# Altium PCB Avyaan 2.0.PcbDoc (part 2 of 3)
Units mm, origin at the board's own origin, x right, y up, seen from the top; angles counter-clockwise.
Board outline 364 x 499 mm, 2 copper layers (Top Layer, Bottom Layer), stack 3.2 mm thick; 226 components, 0 nets, 1029 pads, 6 vias.
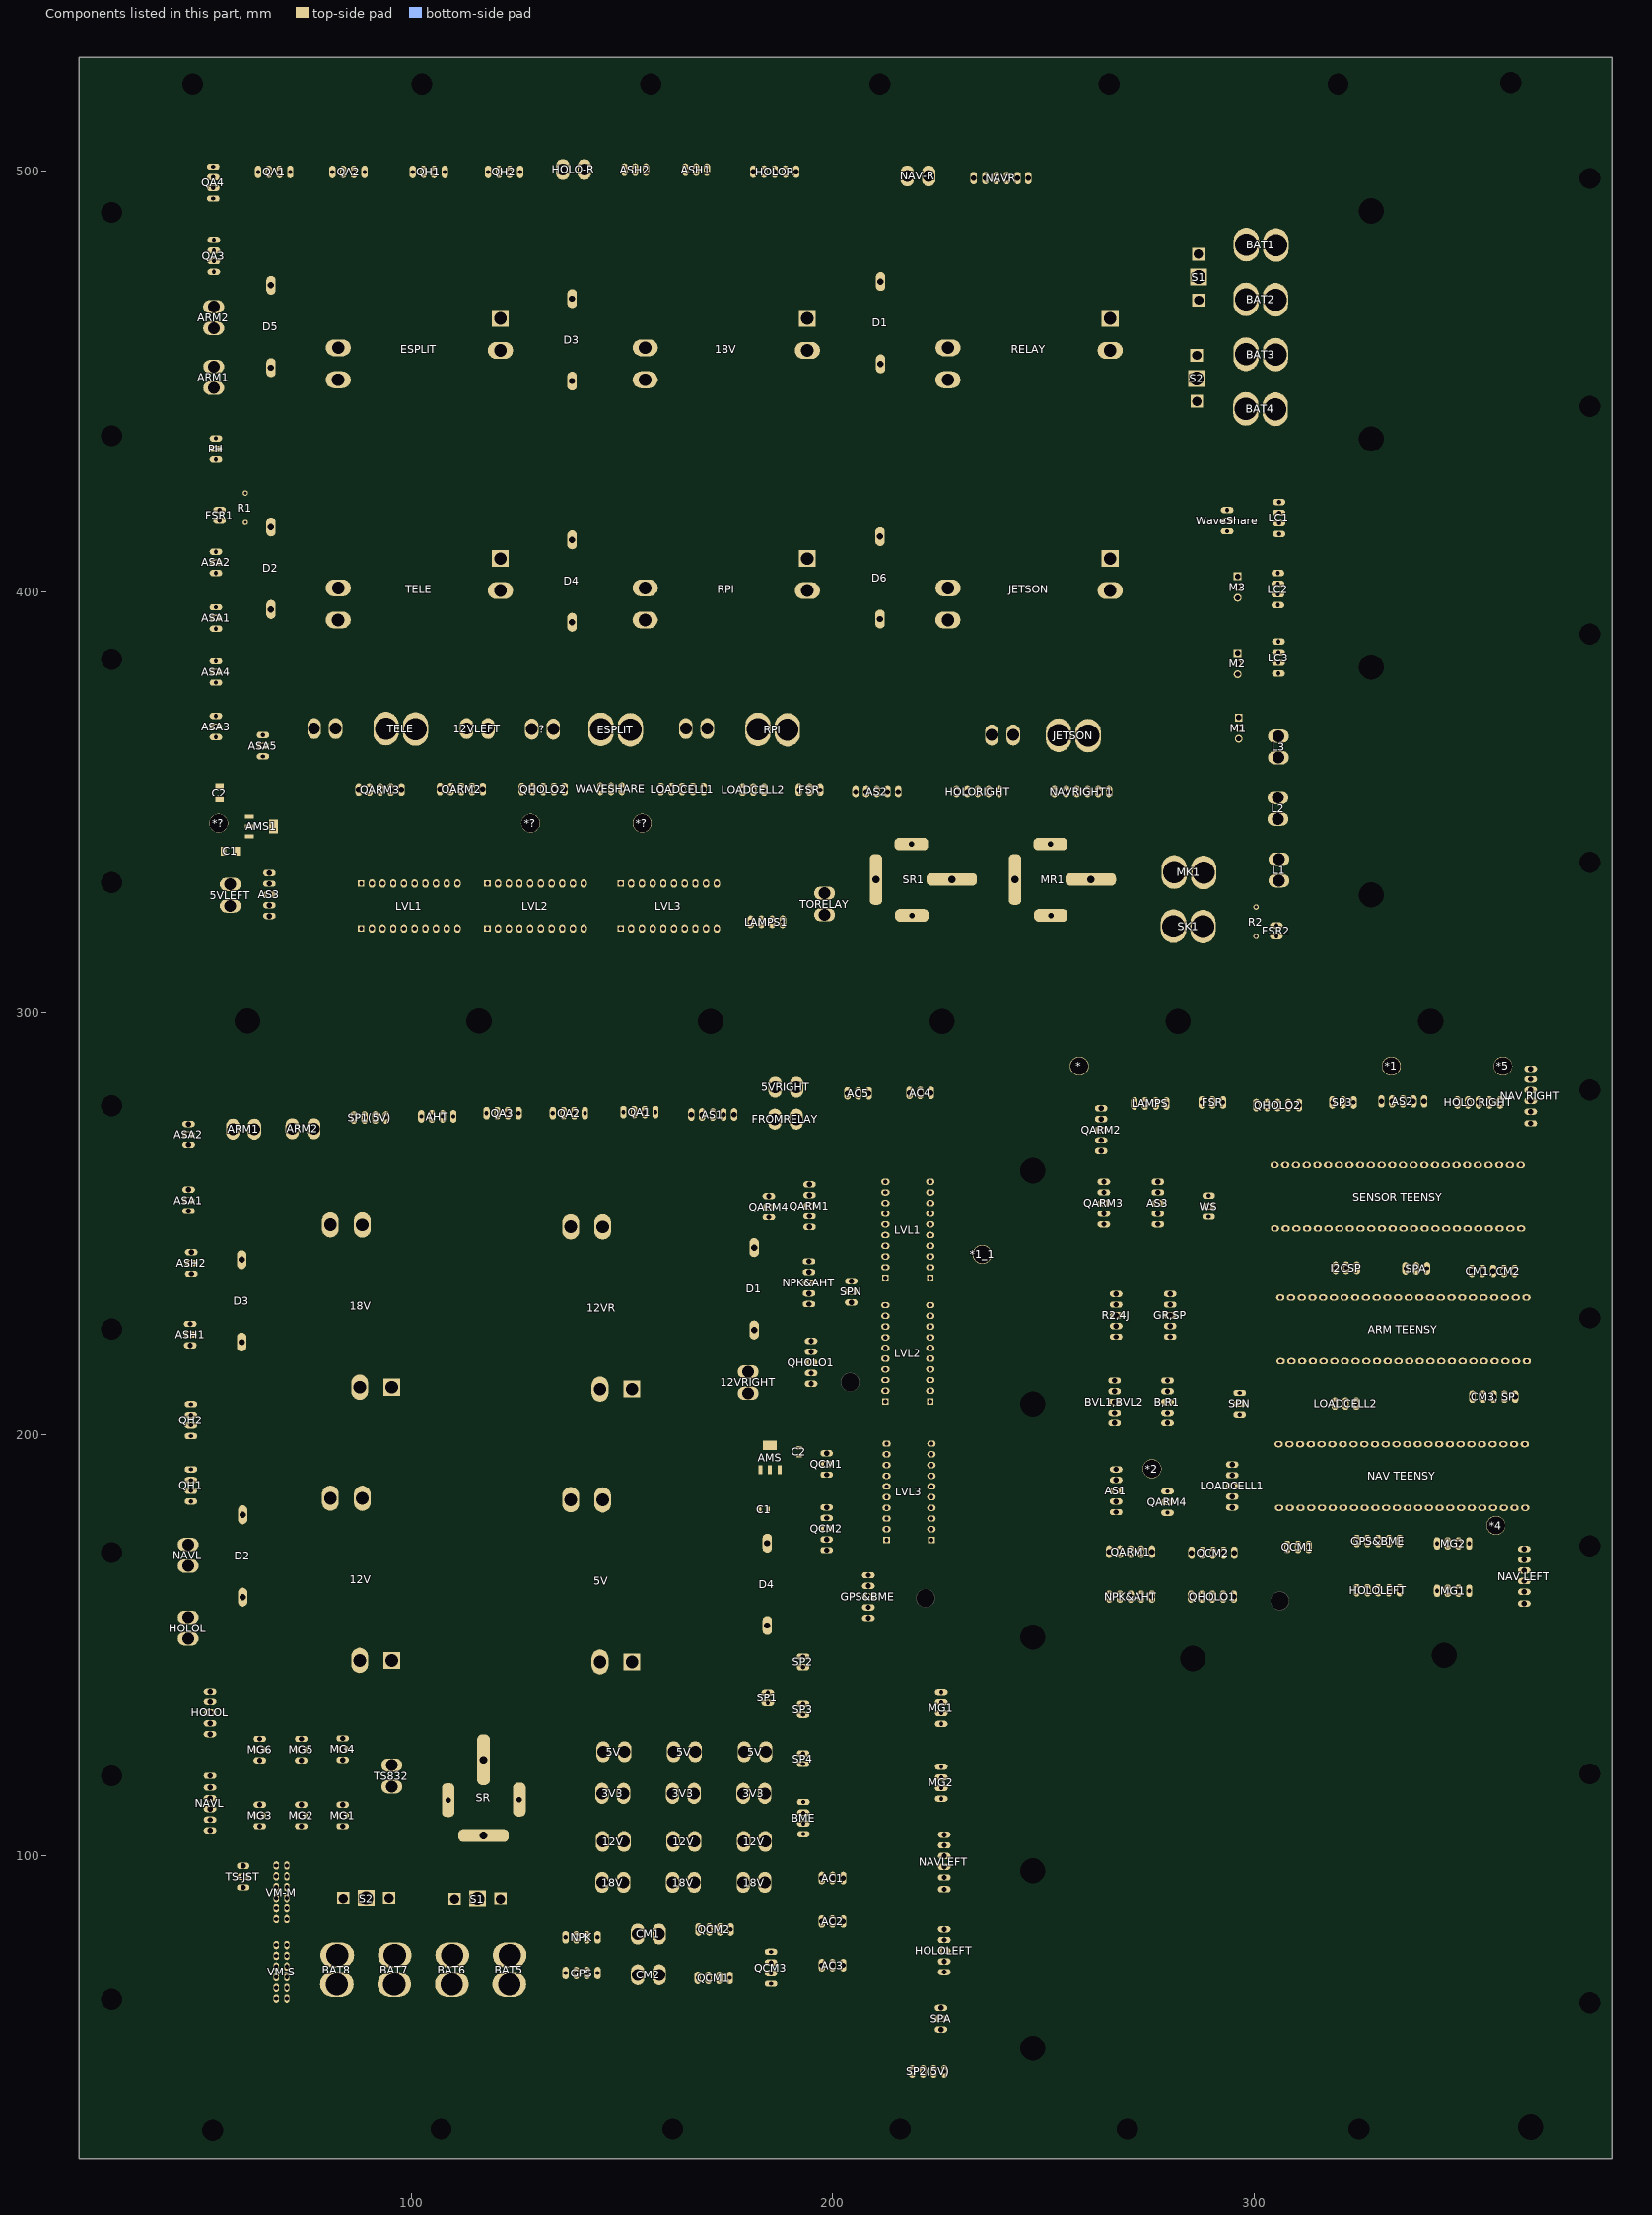
[diagram p2: the components of this part, seen from the top]

## Via types
v1: diameter 1.27, hole 0.711, Top Layer to Bottom Layer, 5 vias
v2: diameter 1.5, hole 0.711, Top Layer to Bottom Layer, 1 vias

## Nets (pads, with @x,y where several pads share a name; then routed paths per layer and width w, separated by ;. In a path a pad name is that pad's centre, name@x,y a point inside that pad or via, vN(x,y) a via of type N, cw(c..) or ccw(c..) an arc to the next point about the centre after c; other vN are vias at no path point) (continued)
copper on no net: | length 37593
  Top Layer w0.254: 70.36,97.62 70.36,97.51 70.44,97.43 ; 126.162,352.53 126.162,353.28 ; 128.702,352.464 128.702,353.28 ; 138.1,331.636 138.227,331.509 ; 149.657,320.079 149.994,320.079 ; 152.197,320.079 152.753,320.079 ; 154.737,320.079 155.131,320.079 ; 157.277,320.079 157.382,320.079 ; 164.77,331.509 165.02,331.509 ; 164.897,320.022 164.897,320.079 ; 167.31,331.509 167.56,331.509 ; 169.85,331.509 169.977,331.509 ; 235.868,360.443 235.89,360.465 ; 243.891,498.206 243.891,498.32
  Top Layer w0.3: 47.045,255.57 46.41,255.57 46.295,255.57 43.84,258.025 43.84,274.105 52.902,283.167 165.037,283.167 171.505,276.699 171.505,275.949 ; 47.045,271.191 47.795,271.191 50.855,274.251 50.855,276.935 56.287,282.367 163.297,282.367 168.965,276.699 168.965,275.949 ; 47.426,223.693 46.918,223.693 42.6,228.011 42.6,276.144 51.236,284.78 168.504,284.78 176.585,276.699 176.585,275.949 ; 47.589,189.149 48.188,189.149 56.062,197.023 56.062,227.03 62.771,233.739 182.056,233.739 185.742,230.053 185.742,208.394 192.376,201.76 214.792,201.76 219.13,206.098 219.13,218.867 223.448,223.185 ; 47.589,191.689 55.262,199.362 55.262,227.361 62.44,234.539 182.388,234.539 186.542,230.385 186.542,208.726 192.708,202.56 214.46,202.56 218.33,206.43 218.33,220.607 223.321,225.598 ; 47.589,204.643 48.523,204.643 54.462,210.582 54.462,227.693 62.108,235.339 182.719,235.339 187.342,230.716 187.342,209.057 193.039,203.36 214.129,203.36 217.53,206.761 217.53,222.347 223.448,228.265 ; 47.589,207.183 53.662,213.256 53.662,228.024 61.777,236.139 183.05,236.139 188.142,231.047 188.142,209.389 193.371,204.16 213.798,204.16 216.73,207.092 216.73,222.678 216.778,222.726 216.778,224.53 223.053,230.805 ; 47.68,240.711 47.255,240.711 46.566,241.4 46.566,241.444 43.24,244.77 43.24,275.133 52.074,283.967 166.777,283.967 174.045,276.699 174.045,275.949 ; 52.125,105.964 49.839,103.678 49.839,63.44 60.369,52.91 207.178,52.91 217.96,63.692 217.96,97.182 225.731,104.953 226.481,104.953 ; 52.125,108.504 51.375,108.504 48.804,105.933 48.804,63.344 60.038,52.11 207.51,52.11 218.56,63.16 218.56,95.242 225.731,102.413 226.481,102.413 ; 52.125,111.044 51.375,111.044 48.004,107.673 48.004,63.012 59.706,51.31 207.841,51.31 219.16,62.629 219.16,93.302 225.731,99.873 226.481,99.873 ; 52.125,113.584 51.375,113.584 47.204,109.413 47.204,62.681 59.375,50.51 208.173,50.51 219.95,62.287 219.95,91.552 225.731,97.333 226.481,97.333 ; 52.125,128.824 50.093,128.824 46.404,125.135 46.404,62.349 59.043,49.71 208.504,49.71 220.55,61.756 220.55,77.293 225.731,82.474 226.481,82.474 ; 52.125,131.364 50.093,131.364 45.604,126.875 45.604,62.018 58.713,48.909 208.834,48.909 221.15,61.225 221.15,75.353 225.731,79.934 226.481,79.934 ; 52.125,133.904 50.093,133.904 44.804,128.615 44.804,61.687 58.438,48.053 209.11,48.053 221.75,60.693 221.75,73.413 225.731,77.394 226.481,77.394 ; 52.125,136.444 50.093,136.444 44.004,130.355 44.004,61.355 58.139,47.22 209.408,47.22 222.35,60.162 222.35,71.473 225.731,74.854 226.481,74.854 ; 52.883,498.514 44.488,490.119 44.488,322.649 51.113,316.024 89.087,316.024 93.142,320.079 ; 52.883,501.054 43.888,492.059 43.888,322.4 50.864,315.424 91.027,315.424 95.682,320.079 ; 53.01,481.115 45.688,473.793 45.688,323.146 51.549,317.285 85.176,317.285 88.018,320.127 ; 53.01,483.655 45.088,475.733 45.088,322.897 51.361,316.624 87.147,316.624 90.602,320.079 ; 53.518,368.085 53.093,368.085 52.41,367.402 52.41,367.346 49.622,364.558 49.622,326.261 54.451,321.432 58.762,321.432 60.573,323.243 60.573,327.642 66.218,333.287 ; 53.518,381.039 53.093,381.039 49.022,376.968 49.022,325.718 53.908,320.832 59.01,320.832 61.173,322.995 61.173,325.956 65.964,330.747 66.218,330.747 ; 53.518,393.866 48.419,388.767 48.419,325.305 53.492,320.232 59.259,320.232 61.773,322.746 61.773,323.762 66.218,328.207 ; 53.518,407.074 52.768,407.074 47.676,401.982 47.676,324.905 52.949,319.632 59.508,319.632 65.543,325.667 66.218,325.667 ; 54.382,419.52 57.374,416.528 60.503,416.528 ; 54.407,350.686 56.784,350.686 60.834,346.636 ; 56.928,325.499 53.518,328.909 53.518,336.335 55.296,338.113 55.296,338.494 55.296,340.145 58.598,343.447 58.598,345.733 59.501,346.636 60.834,346.636 ; v2(59.56,81.62) 59.56,85.27 64.18,89.89 67.78,89.89 67.86,89.97 ; 59.99,97.53 60.035,97.575 67.815,97.575 67.86,97.62 ; 61.434,346.636 60.834,346.636 ; 63.936,112.06 63.186,112.06 58.462,107.336 58.462,105.212 53.09,99.84 53.09,64.714 61.694,56.11 205.853,56.11 215.283,65.54 215.283,124.029 225.037,133.782 225.787,133.782 ; 63.936,127.681 63.186,127.681 56.062,120.557 56.062,106.218 50.669,100.825 50.669,63.741 60.7,53.71 206.847,53.71 217.36,64.223 217.36,108.325 225.037,116.002 225.787,116.002 ; 68.631,499.784 62.925,505.49 49.324,505.49 43.288,499.454 43.288,322.152 50.616,314.824 98.047,314.824 103.302,320.079 ; 70.36,78.74 71.57,78.74 73.47,76.84 73.47,66.54 80.639,59.371 204.588,59.371 212.083,66.866 212.083,133.943 232.04,153.9 232.04,207.051 230.105,208.986 230.105,260.826 214.961,275.97 212.7,275.97 208.589,280.081 208.589,280.97 ; 70.44,71.09 72.83,68.7 72.83,66.18 80.649,58.361 204.71,58.361 212.883,66.534 212.883,133.273 232.99,153.38 232.99,206.95 230.941,208.999 230.941,260.839 223.321,268.459 223.321,281.097 ; 71.171,499.784 64.865,506.09 49.075,506.09 42.688,499.703 42.688,321.903 50.367,314.224 99.987,314.224 105.842,320.079 ; 73.778,112.06 73.029,112.06 65.446,104.478 58.859,104.478 53.992,99.611 53.992,64.944 62.075,56.861 205.473,56.861 214.483,65.871 214.483,125.769 225.037,136.322 225.787,136.322 ; 73.778,127.681 73.029,127.681 69.524,124.176 69.524,121.984 65.607,118.067 62.45,118.067 56.862,112.479 56.862,105.875 51.49,100.503 51.49,64.052 61.032,54.51 206.516,54.51 216.76,64.754 216.76,110.265 225.037,118.542 225.787,118.542 ; 83.621,112.06 83.196,112.06 74.814,103.678 59.19,103.678 54.792,99.28 54.792,65.275 62.357,57.71 205.19,57.71 213.683,66.203 213.683,127.509 225.037,138.862 225.787,138.862 ; 83.621,127.808 82.871,127.808 78.668,123.605 78.668,121.077 74.858,117.267 64.444,117.267 57.662,110.485 57.662,105.544 52.29,100.172 52.29,64.383 61.363,55.31 206.184,55.31 216.083,65.209 216.083,112.129 225.037,121.082 225.787,121.082 ; 86.284,499.784 79.378,506.69 48.827,506.69 42.088,499.951 42.088,321.655 50.119,313.624 101.927,313.624 108.382,320.079 ; 87.427,353.153 87.657,352.923 87.657,331.787 87.935,331.509 ; 88.191,319.954 88.316,320.079 ; 88.824,499.784 81.318,507.29 48.578,507.29 41.488,500.2 41.488,321.406 49.87,313.024 103.867,313.024 110.922,320.079 ; 89.967,353.153 90.197,352.923 90.197,331.787 90.475,331.509 ; 91.368,275.255 91.368,271.318 99.464,263.222 214.006,263.222 216.51,260.718 216.51,243.821 222.561,237.77 223.176,237.155 ; 92.507,353.153 92.737,352.923 92.737,331.787 93.015,331.509 ; 93.908,275.255 93.908,271.318 101.204,264.022 214.338,264.022 217.11,261.25 217.11,245.511 222.926,239.695 223.176,239.695 ; 95.047,353.153 95.277,352.923 95.277,331.787 95.555,331.509 ; 103.175,331.509 103.175,348.974 106.731,352.53 106.731,353.28 ; 105.334,499.784 97.228,507.89 48.289,507.89 40.888,500.489 40.888,321.158 49.622,312.424 110.633,312.424 118.288,320.079 ; 105.715,331.509 105.715,348.974 109.271,352.53 109.271,353.28 ; 107.37,275.509 107.37,275.084 108.053,274.401 108.109,274.401 117.688,264.822 214.669,264.822 217.71,261.781 217.71,247.465 222.94,242.235 223.176,242.235 ; 107.874,499.784 99.168,508.49 47.873,508.49 40.288,500.905 40.288,320.909 49.373,311.824 112.319,311.824 120.574,320.079 ; 108.255,331.509 108.255,348.974 111.777,352.496 111.777,353.246 ; 109.91,275.509 109.91,274.54 118.828,265.622 214.844,265.622 218.31,262.156 218.31,249.391 222.926,244.775 223.176,244.775 ; 110.795,331.509 110.795,348.974 114.317,352.496 114.317,353.246 ; 117.784,276.271 117.784,275.626 125.32,268.09 215.063,268.09 220.21,262.943 220.21,255.111 222.926,252.395 223.176,252.395 ; 118.161,331.509 118.409,331.509 121.079,334.179 121.079,347.447 126.162,352.53 ; 120.324,276.271 120.324,275.521 127.155,268.69 215.312,268.69 220.81,263.192 220.81,257.051 222.926,254.935 223.176,254.935 ; 120.447,331.509 120.447,331.592 122.766,333.911 122.766,346.506 128.702,352.442 128.702,353.28 ; 122.987,331.509 122.987,331.84 123.324,332.177 123.324,332.286 127.212,336.174 131.242,340.205 131.242,353.28 ; 123.114,320.079 114.259,311.224 49.125,311.224 39.688,320.661 39.688,501.194 47.584,509.09 113.935,509.09 123.241,499.784 ; 125.527,331.509 125.527,331.592 128.746,334.811 133.782,339.847 133.782,353.28 ; 125.654,320.079 116.199,310.624 48.876,310.624 39.088,320.412 39.088,501.483 47.295,509.69 115.875,509.69 125.781,499.784 ; 133.147,331.509 133.147,334.049 142.492,343.394 142.492,354.525 148.143,360.176 185.76,360.176 191.948,353.988 191.948,353.13 ; 133.532,276.271 133.532,275.846 140.088,269.29 215.56,269.29 221.517,263.333 221.517,258.884 222.926,257.475 223.176,257.475 ; 135.687,331.509 135.687,334.176 144.831,343.32 144.831,353.353 ; 136.072,276.271 136.072,275.658 141.84,269.89 215.809,269.89 223.176,262.523 223.176,260.569 223.448,260.297 223.448,260.269 ; 136.199,80.564 132.96,77.325 132.96,65.261 135.871,62.35 203.084,62.35 208.843,68.109 208.843,135.809 225.099,152.065 225.099,152.077 229.237,156.215 229.237,204.547 223.448,210.336 ; 136.553,72.082 136.553,71.332 143.935,63.95 202.422,63.95 207.243,68.771 207.243,136.472 208.537,137.766 208.537,137.777 227.637,156.877 227.637,193.977 223.829,197.785 223.448,197.785 ; 138.1,331.636 138.1,334.049 147.371,343.32 147.371,353.353 ; 139.093,72.082 139.093,71.332 145.675,64.75 202.09,64.75 206.443,69.103 206.443,136.803 207.7,138.06 207.7,138.072 226.837,157.209 226.837,192.11 223.702,195.245 223.448,195.245 ; 139.093,80.564 139.093,80.029 133.6,74.536 133.6,65.752 136.202,63.15 202.753,63.15 208.043,68.44 208.043,136.14 209.337,137.434 209.337,137.446 228.437,156.546 228.437,202.557 223.448,207.546 ; 149.53,331.509 149.53,333.922 159.182,343.574 159.182,353.28 ; 149.994,320.079 159.944,310.129 306.839,310.129 316.233,319.523 316.233,408.646 305.994,418.885 ; 150.296,276.525 150.296,276.1 151.007,275.389 155.306,271.09 216.306,271.09 227.205,260.191 227.205,216.677 223.553,213.025 223.448,213.025 ; 152.07,331.509 152.07,333.922 161.722,343.574 161.722,353.28 ; 152.753,320.079 162.103,310.729 306.59,310.729 315.633,319.772 315.633,406.706 305.994,416.345 ; 152.836,276.525 152.836,277.275 151.18,278.931 147.749,278.931 146.97,278.152 146.97,273.51 149.99,270.49 216.057,270.49 226.405,260.142 226.405,218.417 223.553,215.565 223.448,215.565 ; 154.693,330.777 154.693,334.132 164.262,343.701 164.262,353.28 ; 155.131,320.079 163.881,311.329 306.342,311.329 315.033,320.02 315.033,392.701 305.74,401.994 ; 157.15,331.509 157.15,333.795 166.802,343.447 166.802,353.28 ; 157.382,320.079 165.532,311.929 306.093,311.929 314.433,320.269 314.433,390.761 305.74,399.454 ; 164.897,320.022 172.39,312.529 305.845,312.529 313.833,320.517 313.833,377.772 305.867,385.738 ; 165.02,331.509 178.613,345.102 178.613,353.13 ; 167.437,320.079 167.437,319.833 174.141,313.129 305.596,313.129 313.233,320.766 313.233,375.832 305.867,383.198 ; 167.56,331.509 181.153,345.102 181.153,353.13 ; 167.949,70.912 167.949,71.662 173.333,77.046 181.56,77.046 192.26,87.746 192.26,98.118 203.243,109.101 203.243,138.129 204.5,139.386 204.5,139.397 217.98,152.877 217.98,172.247 222.806,177.073 222.922,176.957 223.194,176.957 ; 168.076,83.358 168.328,83.358 170.65,85.68 188.497,85.68 191.06,88.243 191.06,99.23 201.643,109.813 201.643,138.791 202.9,140.048 202.9,140.06 216.78,153.94 216.78,176.127 222.806,182.153 222.922,182.037 223.194,182.037 ; 169.977,320.079 169.977,319.833 176.081,313.729 296.032,313.729 300.533,318.23 300.589,318.23 303.2,320.841 305.359,320.841 ; 169.977,331.509 177.343,338.875 180.645,338.875 193.77,352 193.784,352 194.488,352.705 194.488,353.13 ; 170.489,70.912 170.489,71.662 175.073,76.246 181.608,76.246 192.86,87.498 192.86,97.563 204.043,108.746 204.043,137.797 205.3,139.054 205.3,139.066 218.58,152.346 218.58,170.057 223.194,174.671 ; 170.616,83.358 170.868,83.358 172.59,85.08 188.745,85.08 191.66,87.995 191.66,98.649 202.443,109.432 202.443,138.46 203.7,139.717 203.7,139.729 217.38,153.409 217.38,173.683 222.968,179.271 222.968,179.451 223.015,179.497 223.194,179.497 ; 180.518,321.73 187.884,314.364 292.197,314.364 295.383,317.55 295.383,342.882 292.335,345.93 292.335,366.161 296.418,370.244 ; 182.794,191.604 182.794,187.639 v1(185.602,184.831) 185.602,183.455 184.63,182.483 184.63,182.208 ; 183.058,321.73 189.824,314.964 291.949,314.964 294.783,317.798 294.783,342.633 291.735,345.681 291.735,381.133 296.164,385.562 ; 183.693,499.844 204.185,479.352 204.185,430.837 203.207,429.859 203.207,381.391 231.953,352.645 ; 184.84,254.046 185.024,254.23 186.04,254.23 193.432,261.622 213.328,261.622 214.39,260.56 214.39,256.546 212.779,254.935 212.526,254.935 ; 184.84,256.586 185.59,256.586 191.426,262.422 213.675,262.422 214.99,261.107 214.99,253.208 214.177,252.395 212.526,252.395 ; 185.348,69.515 186.098,69.515 189.793,73.21 189.793,82.479 194.06,86.746 194.06,96.5 205.643,108.083 205.643,137.134 206.9,138.391 206.9,138.403 226.037,157.54 226.037,190.497 223.829,192.705 223.448,192.705 ; 185.348,72.055 186.098,72.055 189.19,75.147 189.19,82.866 193.46,87.136 193.46,97.032 204.843,108.415 204.843,137.466 206.1,138.723 206.1,138.734 225.237,157.871 225.237,188.626 223.698,190.165 223.448,190.165 ; 185.598,321.73 191.694,315.634 291.77,315.634 294.183,318.047 294.183,342.385 291.135,345.433 291.135,398.715 296.164,403.744 ; 186.233,499.844 204.785,481.292 204.785,430.589 203.807,429.611 203.807,383.331 205.283,381.855 234.493,352.645 ; 188.773,499.844 205.48,483.137 205.48,430.435 204.407,429.362 204.407,385.271 206.045,383.633 237.033,352.645 ; 191.313,499.844 206.08,485.077 206.08,430.187 205.007,429.114 205.007,387.211 206.807,385.411 239.573,352.645 ; 192.035,196.813 194.124,196.813 195.438,195.499 198.556,195.499 ; 192.568,353.75 192.583,353.734 ; 193.034,105.075 193.783,105.075 200.626,111.917 200.626,138.906 202.1,140.38 202.1,140.391 216.15,154.441 216.15,157.44 212.127,161.463 208.462,161.463 ; 193.034,107.615 193.73,107.615 199.826,113.711 199.826,139.365 204.44,143.979 215.5,155.039 215.5,157.14 213.717,158.923 208.462,158.923 ; 194.365,230.932 195.44,230.932 195.792,231.284 195.86,231.284 206.938,242.362 212.018,242.362 ; 194.365,233.472 196.651,233.472 208.081,244.902 212.018,244.902 ; 194.365,236.012 193.615,236.012 191.507,233.904 191.507,210.549 194.111,207.945 209.605,207.945 212.018,210.358 ; 194.365,238.552 192.587,238.552 190.707,236.672 190.707,210.218 194.161,206.764 210.71,206.764 212.018,208.072 ; 194.492,251.76 197.54,251.76 200.715,254.935 209.736,254.935 212.276,257.475 212.526,257.475 ; 194.746,254.808 195.762,254.808 198.175,257.221 209.482,257.221 212.276,260.015 212.526,260.015 ; 194.746,257.348 193.996,257.348 189.907,253.259 189.907,209.886 194.033,205.76 213.135,205.76 214.304,206.929 214.304,211.628 213.034,212.898 212.526,212.898 ; 194.746,259.888 193.996,259.888 189.107,254.999 189.107,209.555 193.702,204.96 213.466,204.96 215.358,206.852 215.358,213.368 213.518,215.208 212.756,215.208 212.526,215.438 ; 194.873,214.549 196.905,214.549 199.826,217.47 206.43,217.47 212.018,223.058 ; 194.873,217.089 195.035,217.251 196.559,217.251 199.318,220.01 206.43,220.01 212.018,225.598 ; 194.873,219.629 195.098,219.854 196.495,219.854 198.81,222.169 206.049,222.169 212.018,228.138 ; 194.873,222.169 197.159,224.455 205.795,224.455 212.018,230.678 ; 198.556,172.512 209.224,172.512 211.637,174.925 212.798,174.925 ; 198.556,175.052 209.986,175.052 212.399,177.465 212.798,177.465 ; 198.556,177.592 209.986,177.592 212.399,180.005 212.798,180.005 ; 198.556,180.132 209.986,180.132 212.399,182.545 212.798,182.545 ; 198.556,190.419 198.683,190.292 212.671,190.292 212.798,190.165 ; 198.556,192.959 198.683,192.832 212.671,192.832 212.798,192.705 ; 204.398,231.313 204.532,231.447 205.929,231.447 212.018,237.536 ; 204.398,233.853 206.049,233.853 212.018,239.822 ; 208.462,164.003 212.26,164.003 215.955,167.698 215.955,194.878 213.048,197.785 212.798,197.785 ; 208.462,166.543 213.669,166.543 215.155,168.029 215.155,193.138 213.048,195.245 212.798,195.245 ; 223.976,48.685 223.976,49.435 225.607,51.066 225.607,58.625 225.707,58.725 ; 225.707,61.265 226.457,61.265 229.37,58.352 229.37,52.334 226.516,49.48 226.516,48.685 ; 235.868,360.443 206.807,389.504 206.807,428.283 207.95,429.426 207.95,482.639 214.591,489.28 234.964,489.28 243.891,498.206 ; 235.89,360.465 255.248,360.465 263.068,352.645 ; 238.811,498.32 231.259,490.767 214.046,490.767 206.68,483.401 206.68,429.938 205.607,428.865 205.607,388.462 235.255,358.814 251.819,358.814 257.988,352.645 ; 241.351,498.32 233.164,490.132 214.554,490.132 207.315,482.893 207.315,429.725 206.207,428.617 206.207,388.878 235.509,359.576 253.597,359.576 260.528,352.645 ; 246.431,498.32 236.72,488.608 214.935,488.608 208.677,482.35 208.677,388.694 236.017,361.354 256.899,361.354 265.608,352.645 ; 263.763,267.259 264.513,267.259 268.958,262.814 279.384,262.814 282.686,259.512 310.66,259.512 315.101,263.953 ; 263.763,269.799 264.513,269.799 270.885,263.427 280.549,263.427 283.067,260.909 309.517,260.909 312.561,263.953 ; 263.763,272.339 264.513,272.339 272.825,264.027 281.854,264.027 283.956,261.925 307.993,261.925 310.021,263.953 ; 263.763,274.879 264.188,274.879 265.103,273.964 265.103,273.96 274.598,264.465 283.067,264.465 284.779,262.753 306.281,262.753 307.481,263.953 ; 264.398,252.4 263.648,252.4 261.81,254.238 261.81,278.046 262.685,278.921 265.349,278.921 265.922,278.348 265.922,275.895 276.59,265.227 303.667,265.227 304.941,263.953 ; 264.398,254.94 265.148,254.94 275.054,245.034 301.228,245.034 305.038,248.844 ; 264.398,257.48 265.148,257.48 276.324,246.304 300.339,246.304 304.403,250.368 306.054,250.368 307.578,248.844 ; 264.398,260.02 264.823,260.02 265.506,259.337 265.506,259.281 274.087,250.701 274.087,249.188 276.336,246.939 298.942,246.939 303.041,251.038 307.961,251.038 310.118,248.881 310.118,248.844 ; 266.938,202.616 267.688,202.616 273.542,208.47 273.542,213.532 275.834,215.824 282.64,215.824 290.899,224.083 348.599,224.083 356.977,232.461 357.108,232.461 ; 266.938,205.156 267.688,205.156 272.942,210.41 272.942,213.781 275.585,216.424 282.391,216.424 290.65,224.683 347.171,224.683 354.949,232.461 ; 266.938,207.696 267.688,207.696 272.342,212.35 272.342,214.029 275.337,217.024 282.143,217.024 290.402,225.283 345.231,225.283 352.409,232.461 ; 266.938,210.236 267.7,210.236 275.088,217.624 281.894,217.624 290.153,225.883 342.503,225.883 349.081,232.461 349.488,232.461 ; 267.319,181.534 266.938,181.534 263.141,185.331 263.141,238.57 265.856,241.285 296.764,241.285 298.713,243.234 302.355,243.234 305.507,246.386 315.28,246.386 317.738,248.844 ; 267.319,184.074 263.741,187.652 263.741,238.027 266.399,240.685 297.012,240.685 298.961,242.634 302.603,242.634 305.755,245.786 317.22,245.786 320.278,248.844 ; 267.319,186.614 266.938,186.614 264.341,189.211 264.341,237.484 266.942,240.085 297.261,240.085 299.21,242.034 302.852,242.034 306.004,245.186 319.033,245.186 322.691,248.844 ; 267.319,189.154 267.271,189.154 264.941,191.484 264.941,237.094 267.332,239.485 297.509,239.485 299.458,241.434 303.1,241.434 306.252,244.586 321.1,244.586 325.358,248.844 ; 267.319,223.19 268.081,223.19 273.047,218.224 281.646,218.224 289.905,226.483 341.351,226.483 347.329,232.461 ; 267.319,225.73 267.827,225.73 274.733,218.824 281.397,218.824 289.656,227.083 339.411,227.083 344.789,232.461 ; 267.319,228.27 268.081,228.27 276.927,219.424 281.149,219.424 289.408,227.683 337.471,227.683 342.249,232.461 ; 267.319,230.81 268.335,230.81 279.121,220.024 280.9,220.024 289.159,228.283 335.531,228.283 339.709,232.461 ; 268.208,161.468 272.612,165.872 274.349,165.872 279.425,170.948 279.425,178.851 284.048,183.474 284.048,212.106 294.225,222.283 341.863,222.283 346.795,217.352 347.045,217.352 ; 268.208,172.136 265.414,174.93 260.01,180.334 260.01,280.183 260.548,280.721 266.684,280.721 267.849,279.556 267.849,276.976 277.636,267.189 332.186,267.189 335.421,263.953 ; 270.748,161.468 270.794,161.468 280.025,170.699 280.025,178.603 284.648,183.225 284.648,211.857 294.474,221.683 339.923,221.683 344.255,217.352 344.505,217.352 ; 270.748,172.136 267.319,175.565 265.628,175.565 260.61,180.583 260.61,279.934 260.797,280.121 266.26,280.121 267.249,279.132 267.249,276.727 277.387,266.589 330.245,266.589 332.881,263.953 ; 273.288,161.468 273.288,161.859 280.625,169.197 280.625,178.354 285.248,182.977 285.248,211.609 294.722,221.083 337.804,221.083 341.535,217.352 341.965,217.352 ; 273.288,172.136 269.224,176.2 265.841,176.2 261.21,180.831 261.21,278.295 262.436,279.521 265.598,279.521 266.649,278.47 266.649,276.478 277.138,265.989 328.305,265.989 330.341,263.953 ; 275.828,161.468 275.828,162.218 281.225,167.615 281.225,178.106 285.848,182.728 285.848,211.36 294.971,220.483 335.899,220.483 339.03,217.352 339.425,217.352 ; 277.225,249.86 277.975,249.86 279.88,247.955 299.069,247.955 302.752,251.638 329.722,251.638 332.516,248.844 332.851,248.844 ; 277.225,252.4 277.899,252.4 281.836,248.463 298.815,248.463 303.133,252.781 331.331,252.781 335.268,248.844 335.518,248.844 ; 277.225,254.94 278.241,254.94 278.241,255.206 280.977,257.942 314.17,257.942 320.181,263.953 ; 277.225,257.48 278.114,257.48 278.114,257.619 279.245,258.75 312.438,258.75 317.641,263.953 ; 279.499,183.936 273.334,177.77 266.003,177.77 262.541,181.232 262.541,238.986 265.44,241.885 296.515,241.885 298.464,243.834 302.106,243.834 305.258,246.986 313.378,246.986 315.198,248.807 315.198,248.844 ; 279.511,181.384 275.297,177.17 265.754,177.17 261.941,180.983 261.941,239.529 264.897,242.485 296.267,242.485 298.216,244.434 301.858,244.434 305.01,247.586 311.4,247.586 312.658,248.844 ; 279.511,210.236 279.936,210.236 280.647,210.947 293.183,223.483 351.074,223.483 357.205,217.352 ; 279.702,207.506 283.448,211.252 283.448,212.395 293.936,222.883 348.883,222.883 354.415,217.352 354.665,217.352 ; 280.146,225.73 283.194,225.73 286.347,228.883 333.442,228.883 337.02,232.461 ; 280.146,228.27 280.544,228.27 283.505,228.27 284.718,229.483 331.073,229.483 334.051,232.461 334.248,232.461 ; 280.146,230.81 283.956,230.81 284.718,230.048 314.436,230.048 316.849,232.461 ; 280.146,233.35 282.94,233.35 285.607,230.683 312.531,230.683 314.309,232.461 ; 285.226,171.882 285.226,172.632 289.163,176.569 289.163,195.504 294.497,200.838 307.832,200.838 311.007,197.663 ; 287.639,161.468 283.899,157.728 262.891,157.728 258.175,162.444 258.175,281.056 259.815,282.696 312.842,282.696 313.801,281.737 313.801,273.73 317.342,270.189 341.759,270.189 347.994,263.953 ; 287.639,278.816 287.639,279.241 286.928,279.952 285.397,281.483 260.426,281.483 259.41,280.467 259.41,163.081 263.182,159.309 279.079,159.309 281.825,162.055 281.825,174.449 287.512,180.136 287.512,210.841 290.082,213.411 315.367,213.411 319.308,217.352 ; 287.766,171.882 287.766,172.632 289.671,174.537 289.671,195.123 294.624,200.076 306.073,200.076 308.467,197.682 308.467,197.663 ; 290.179,161.468 285.839,157.128 262.642,157.128 257.483,162.287 257.483,281.212 259.567,283.296 313.091,283.296 314.401,281.986 314.401,273.979 317.591,270.789 343.826,270.789 350.661,263.953 ; 290.179,278.816 290.179,279.566 287.649,282.096 260.191,282.096 258.81,280.715 258.81,162.657 262.92,158.547 279.765,158.547 282.432,161.214 282.432,173.66 288.401,179.629 288.401,209.855 291.322,212.776 317.069,212.776 321.645,217.352 ; 290.306,171.882 290.306,194.869 294.497,199.06 304.567,199.06 305.927,197.7 305.927,197.663 ; 292.719,161.468 287.779,156.528 262.226,156.528 256.883,161.871 256.883,281.461 259.318,283.896 313.339,283.896 315.001,282.234 315.001,274.227 317.839,271.389 345.766,271.389 353.201,263.953 ; 294.878,185.217 316.087,185.217 318.724,182.58 318.724,182.554 ; 294.878,187.757 295.628,187.757 297.152,186.233 317.3,186.233 320.979,182.554 321.264,182.554 ; 294.878,190.297 295.628,190.297 298.895,187.03 318.951,187.03 323.427,182.554 323.804,182.554 ; 294.878,192.837 295.628,192.837 300.835,187.63 321.018,187.63 326.094,182.554 326.344,182.554 ; v1(295.005,218.618) 296.148,219.761 313.906,219.761 316.315,217.352 316.565,217.352 ; 295.259,161.468 289.719,155.928 261.937,155.928 256.283,161.582 256.283,281.877 259.064,284.658 313.426,284.658 315.601,282.483 315.601,274.476 318.088,271.989 347.653,271.989 355.614,264.028 355.614,263.953 ; v1(296.021,216.713) 298.434,219.126 311.995,219.126 313.856,217.265 ; 296.164,383.022 299.136,380.05 299.136,353.999 299.136,352.083 305.125,346.094 305.74,346.094 ; 296.164,401.204 299.771,397.597 299.771,365.855 304.948,360.678 305.848,360.678 ; 296.418,367.704 298.374,365.748 298.374,338.24 305.146,331.468 305.975,331.468 304.923,332.52 ; 296.656,207.315 301.101,207.315 306.308,202.108 319.012,202.108 323.457,197.663 323.707,197.663 ; 296.656,209.855 300.085,209.855 306.816,203.124 320.536,203.124 325.997,197.663 326.247,197.663 ; v1(301.355,216.586) 303.387,214.554 308.437,214.554 311.235,217.352 311.485,217.352 ; 303.133,278.181 313.525,267.789 334.471,267.789 338.116,264.144 338.152,264.144 338.342,263.953 ; 305.673,278.181 305.673,277.546 314.83,268.389 336.066,268.389 340.501,263.953 ; v1(306.181,209.728) 306.308,209.601 306.308,209.347 311.515,204.14 365.49,204.14 367.141,205.791 367.141,233.096 361.934,238.303 361.934,238.834 ; 306.405,182.554 320.887,168.072 322.442,168.072 327.009,163.505 327.009,162.992 ; 308.213,278.181 308.213,276.911 316.135,268.989 338.006,268.989 343.041,263.953 ; 308.564,182.554 321.903,169.215 323.949,169.215 329.422,163.742 329.422,162.992 ; 310.499,173.279 310.499,174.029 306.169,178.359 292.592,178.359 290.814,180.137 290.814,194.488 294.751,198.425 302.274,198.425 305.195,195.504 311.388,195.504 313.547,197.663 ; 310.753,278.181 310.753,277.431 312.15,276.034 312.15,274.498 317.059,269.589 339.946,269.589 345.581,263.953 ; 313.039,173.279 313.039,174.029 307.693,179.375 292.592,179.375 291.322,180.645 291.322,194.234 294.913,197.825 301.32,197.825 304.657,194.488 312.912,194.488 316.087,197.663 ; 313.644,182.554 313.894,182.554 316.087,180.361 316.087,178.399 327.557,166.929 328.902,166.929 331.962,163.869 331.962,162.992 ; 316.565,182.554 320.278,178.841 320.278,175.057 327.771,167.564 330.68,167.564 334.502,163.742 334.502,162.992 ; 318.627,197.663 318.877,197.663 329.164,187.376 365.871,187.376 368.411,184.836 368.411,159.69 366.76,158.039 362.442,158.039 348.472,172.009 348.472,172.644 ; 318.627,278.816 324.85,272.593 349.477,272.593 353.226,268.844 359.968,268.844 362.09,266.722 362.921,266.722 364.855,264.788 364.855,260.488 363.59,259.223 329.991,259.223 325.261,263.953 ; 319.389,232.461 322.691,235.763 352.259,235.763 354.314,237.818 ; 319.389,239.573 319.389,240.081 323.072,243.764 332.978,243.764 338.058,248.844 ; 321.167,197.663 321.417,197.663 330.942,188.138 366.125,188.138 369.046,185.217 369.046,158.801 367.487,157.242 360.445,157.242 345.932,171.755 345.932,172.644 ; 321.167,278.816 326.755,273.228 349.69,273.228 353.474,269.444 360.217,269.444 362.339,267.322 363.169,267.322 365.49,265.001 365.49,260.274 363.839,258.623 328.174,258.623 322.844,263.953 322.594,263.953 ; 321.802,207.315 321.802,215.062 324.058,217.318 324.058,217.352 ; 321.929,232.461 324.596,235.128 354.164,235.128 356.854,237.818 ; 321.929,239.573 321.929,240.208 324.723,243.002 334.756,243.002 340.598,248.844 ; 324.342,207.315 324.342,214.969 326.725,217.352 ; 324.469,174.676 324.469,175.176 329.684,180.391 336.881,180.391 339.044,182.554 ; 327.009,174.676 327.009,175.114 331.651,179.756 338.917,179.756 341.715,182.554 ; 329.549,174.676 329.549,175.426 333.244,179.121 340.822,179.121 344.255,182.554 ; 330.311,279.07 335.553,273.828 349.939,273.828 353.723,270.044 360.465,270.044 362.587,267.922 363.418,267.922 366.103,265.237 366.103,253.902 364.601,252.4 351.647,252.4 348.091,248.844 ; 331.327,197.663 331.45,197.663 340.34,188.773 366.506,188.773 369.681,185.598 369.681,158.293 368.03,156.642 354.072,156.642 348.599,162.115 348.599,162.865 ; 331.708,232.461 331.958,232.461 333.99,234.493 356.069,234.493 359.394,237.818 ; 332.089,174.676 332.089,175.426 335.149,178.486 342.596,178.486 346.664,182.554 ; 332.851,279.07 337.493,274.428 350.187,274.428 353.971,270.644 360.714,270.644 362.836,268.522 363.666,268.522 366.703,265.485 366.703,253.653 364.85,251.8 353.841,251.8 350.885,248.844 350.758,248.844 ; 333.867,197.663 333.99,197.663 341.991,189.662 366.76,189.662 370.57,185.852 370.57,158.333 368.025,155.788 352.386,155.788 346.059,162.115 346.059,162.865 ; 333.964,182.554 334.218,182.554 338.278,186.614 365.617,186.614 367.776,184.455 367.776,173.152 364.855,170.231 364.22,170.231 ; 334.345,217.352 334.371,217.352 342.757,208.966 351.901,208.966 ; 334.353,232.461 334.502,232.461 ; 335.391,279.07 339.433,275.028 350.436,275.028 354.22,271.244 360.962,271.244 363.084,269.122 363.915,269.122 367.303,265.734 367.303,253.405 365.098,251.2 355.579,251.2 353.298,248.919 353.298,248.844 ; 336.407,197.663 336.657,197.663 344.023,190.297 367.014,190.297 371.459,185.852 371.459,157.912 368.735,155.188 350.446,155.188 343.519,162.115 343.519,162.865 ; 336.885,182.554 340.31,185.979 365.236,185.979 367.141,184.074 367.141,175.184 364.728,172.771 364.22,172.771 ; 336.885,217.352 337.266,217.352 340.826,213.792 350.758,213.792 354.441,210.109 354.441,208.966 ; 337.931,279.07 341.373,275.628 350.684,275.628 354.468,271.844 361.286,271.844 363.408,269.722 364.163,269.722 367.903,265.982 367.903,253.156 365.347,250.6 357.392,250.6 355.711,248.919 355.711,248.844 ; 338.947,197.663 339.197,197.663 343.896,202.362 365.871,202.362 368.573,205.064 368.573,266.161 364.412,270.322 363.657,270.322 361.535,272.444 354.717,272.444 348.345,278.816 ; 341.487,197.663 341.868,197.663 345.932,201.727 366.085,201.727 369.173,204.815 369.173,266.409 364.66,270.922 363.986,270.922 361.864,273.044 356.657,273.044 350.885,278.816 ; 343.519,174.101 343.392,174.228 343.392,177.119 348.827,182.554 349.077,182.554 ; 344.027,197.663 344.277,197.663 347.706,201.092 366.298,201.092 369.786,204.58 369.786,266.645 364.909,271.522 364.275,271.522 362.153,273.644 358.597,273.644 353.425,278.816 ; 346.567,197.663 346.817,197.663 349.484,200.33 366.506,200.33 370.386,204.21 370.386,266.935 365.109,272.212 364.474,272.212 362.252,274.434 359.585,274.434 355.965,278.054 355.965,278.816 ; 349.107,197.663 349.357,197.663 353.675,193.345 367.014,193.345 372.856,199.187 372.856,280.455 366.494,286.817 365.744,286.817 ; 349.585,217.352 356.981,209.956 356.981,208.966 ; 352.028,197.663 355.522,194.169 366.568,194.169 372.221,199.822 372.221,278.55 366.494,284.277 365.744,284.277 ; 352.125,217.352 352.13,217.352 359.521,209.961 359.521,208.966 ; 354.187,197.663 356.882,194.968 366.351,194.968 371.586,200.203 371.586,276.645 366.494,281.737 365.744,281.737 ; 354.284,182.554 353.933,182.203 353.933,174.93 363.712,165.151 364.22,165.151 ; 356.6,197.663 356.727,197.663 357.17,197.663 359.013,195.82 366.187,195.82 370.986,200.619 370.986,274.705 366.494,279.197 365.744,279.197 ; 356.824,182.554 359.236,184.966 365.106,184.966 366.633,183.439 366.633,181.344 360.099,174.81 360.099,171.313 363.721,167.691 364.22,167.691 ; 364.613,165.151 365.363,165.151
  Top Layer w0.6: 47.045,252.903 47.045,253.03 47.795,253.03 50.347,255.582 ; 47.045,268.651 50.347,265.349 50.347,255.582 ; 47.426,226.233 50.347,229.154 50.347,245.918 ; 47.68,243.251 50.347,245.918 ; 53.518,378.499 57.639,374.378 ; 53.518,391.326 57.639,387.205 ; 53.518,404.534 57.639,400.413 57.639,387.205 ; 53.645,365.545 54.28,365.545 57.639,362.186 ; 54.024,378.499 54.44,378.083 ; 61.653,344.336 63.17,345.853 63.17,347.299 56.481,353.988 54.407,353.988 54.366,354.029 52.842,354.029 51.867,355.004 51.867,356.655 53.137,357.925 54.471,357.925 ; 64.694,360.973 64.694,358.052 62.853,356.211 57.519,356.211 ; 130.69,330.777 130.69,330.576 127.686,327.572 ; 150.316,114.727 155.777,120.188 173.029,120.188 ; 150.546,500.329 140.132,489.914 ; 162.313,330.777 162.313,330.322 159.563,327.572 127.686,327.572 ; 165.024,500.329 154.61,489.914 140.132,489.914 ; 167.08,114.727 167.568,114.727 173.029,120.188 ; 183.844,114.727 183.844,115.878 188.154,120.188 ; 185.094,191.604 185.269,191.429 185.269,190.752 189.031,186.99 189.285,186.736 ; 192.035,194.913 192.09,194.858 192.09,187.89 190.936,186.736 ; 192.968,135.936 196.397,135.936 198.556,138.095 ; 193.034,112.695 193.783,112.695 198.556,117.467 198.556,127.3 ; 212.526,220.518 212.776,220.518 214.87,222.612 214.87,247.517 212.532,249.855 212.526,249.855 ; 212.798,187.625 212.636,187.625 211.747,186.736 190.936,186.736 ; 50.347,245.918 50.347,255.582 ; 54.471,357.925 57.639,361.094 57.639,362.186 ; 54.471,357.925 55.804,357.925 57.519,356.211 ; 57.519,356.211 60.63,353.099 64.664,353.099 67.331,350.432 69.266,350.432 71.298,348.4 71.298,339.637 83.363,327.572 97.519,327.572 ; 57.639,362.186 57.639,374.378 ; 57.639,374.378 57.639,387.205 ; 97.519,327.572 100.718,330.771 100.718,354.96 104.873,359.115 146.021,359.115 147.943,361.037 156.96,361.037 159.309,363.386 159.309,371.671 157.064,373.916 150.17,373.916 143.301,380.785 128.956,380.785 105.012,404.729 105.012,472.333 122.594,489.914 140.132,489.914 ; 97.519,327.572 127.686,327.572 ; 173.029,120.188 188.154,120.188 ; 188.154,120.188 192.218,124.252 192.968,124.252 195.508,124.252 198.556,127.3 ; 189.285,186.736 194.619,181.402 194.619,169.591 198.556,165.654 198.556,138.095 ; 189.285,186.736 190.936,186.736 ; 198.556,127.3 198.556,138.095
  Top Layer w1: 41.96,181.61 46.959,186.609 47.589,186.609 ; 47.589,202.103 46.973,202.103 41.711,196.841 ; 52.883,495.974 53.645,495.974 56.82,492.799 56.82,489.751 ; 53.391,431.458 49.2,427.267 ; 54.382,416.98 53.767,416.98 53.536,416.749 53.536,416.49 49.2,412.154 ; 60.06,94.92 59.99,94.99 60.03,95.03 67.82,95.03 67.86,95.07 ; 61.053,342.036 60.503,342.036 58.733,340.266 58.733,338.629 58.598,338.494 58.598,338.113 56.928,336.443 56.928,330.599 60.588,330.599 62.27,332.282 62.27,336.324 64.44,338.494 68.631,338.494 80.061,327.064 ; 63.936,109.52 64.686,109.52 71.163,115.997 81.005,115.997 ; 63.936,125.141 64.686,125.141 67.497,127.953 67.497,130.592 65.78,132.31 ; 66.091,499.784 65.995,499.688 65.995,498.938 63.678,496.621 63.678,496.609 63.043,495.974 ; 66.599,453.302 66.599,452.396 68.564,450.432 82.552,450.432 ; 66.599,472.86 89.84,472.86 100.254,462.446 100.254,384.341 109.398,375.197 126.797,375.197 ; 67.86,76.19 66.26,76.19 64.09,78.36 64.09,85.73 65.78,87.42 67.86,87.42 ; 73.778,109.52 74.528,109.52 81.005,115.997 ; 73.778,125.141 74.528,125.141 76.87,127.483 76.87,130.6 75.16,132.31 ; 83.621,109.52 84.371,109.52 87.12,112.269 87.12,118.985 ; 83.621,125.268 84.358,125.268 87.12,128.03 ; 83.744,499.784 83.744,498.899 83.494,498.649 83.494,498.645 80.823,495.974 ; 86.288,275.255 86.288,276.005 82.212,280.081 ; 100.762,320.079 97.333,323.508 ; 102.29,275.509 102.29,276.259 98.468,280.081 ; 102.794,499.784 102.794,499.149 99.619,495.974 ; 120.701,499.784 120.605,499.688 120.605,498.545 118.034,495.974 ; 122.864,276.271 122.864,277.021 119.804,280.081 ; 130.734,320.079 127.305,323.508 ; 133.528,366.123 133.528,368.466 126.797,375.197 ; 138.612,276.271 138.612,277.021 135.552,280.081 ; 144.173,80.564 144.173,72.082 144.173,71.332 149.605,65.9 160.477,65.9 164.647,70.07 ; 151.943,367.323 151.943,368.323 145.069,375.197 126.797,375.197 ; 162.357,320.079 158.928,323.508 127.305,323.508 ; 167.334,124.633 171.017,128.316 ; 173.029,70.912 173.029,70.162 168.767,65.9 ; 173.156,83.358 173.156,79.167 170.87,76.881 166.933,76.881 164.647,79.167 ; 184.098,124.633 184.098,125.533 186.881,128.316 ; 184.586,138.73 184.586,139.619 188.713,143.746 ; 185.348,74.595 184.598,74.595 175.903,65.9 ; 187.394,191.604 187.369,191.629 187.369,192.179 185.119,194.429 181.185,194.429 179.878,193.122 ; 199.954,94.661 199.954,84.31 199.954,73.96 199.954,73.21 192.644,65.9 175.903,65.9 ; 206.049,280.97 206.049,281.72 201.592,286.177 ; 218.896,48.685 214.205,48.685 211.59,46.07 57.663,46.07 42.89,60.843 42.89,146.43 ; 220.781,281.097 220.781,281.749 216.353,286.177 201.592,286.177 ; 223.448,187.625 223.198,187.625 220.65,190.173 220.65,218.242 222.926,220.518 223.176,220.518 223.426,220.518 225.19,222.282 225.19,248.091 223.426,249.855 223.176,249.855 222.926,249.855 219.26,253.521 219.26,262.55 214.77,267.04 121.61,267.04 113.88,274.77 113.88,277.451 111.25,280.081 ; 302.825,416.224 305.244,413.805 305.994,413.805 ; 302.872,399.38 302.872,399.032 304.99,396.914 305.74,396.914 ; 305.359,318.301 307.899,318.301 311.963,322.365 311.963,374.816 306.713,380.066 306.713,380.427 306.386,380.754 305.771,380.754 ; 305.867,380.658 305.117,380.658 302.821,382.954 302.821,399.032 302.821,416.224 302.821,422.062 317.805,437.046 317.805,490.259 301.041,507.023 135.687,507.023 130.734,502.07 130.734,499.276 127.432,495.974 118.034,495.974 ; 41.711,196.841 41.711,181.859 41.7,181.848 41.7,179.8 43.045,178.455 45.115,178.455 ; 41.711,196.841 41.711,207.691 52.506,218.486 52.506,275.89 56.697,280.081 82.212,280.081 ; 42.89,146.43 45.74,143.58 55.25,143.58 58.44,140.39 58.44,134.59 60.72,132.31 65.78,132.31 ; 42.89,146.43 40,149.32 40,173.34 45.115,178.455 ; 45.115,178.455 46.69,180.03 50.63,180.03 52.59,181.99 52.59,192.207 57.22,196.837 57.22,226.26 63.61,232.65 181.17,232.65 184.71,229.11 184.71,204.43 179.878,199.598 179.878,193.122 ; 49.2,412.154 49.2,427.267 ; 49.2,412.154 46.66,409.614 46.66,324.27 52.248,318.682 76.632,318.682 80.061,322.111 80.061,327.064 ; 49.2,427.267 49.2,475.781 51.744,478.325 51.875,478.325 52.125,478.575 53.01,478.575 55.169,478.575 56.82,480.226 56.82,489.751 ; 56.82,489.751 63.043,495.974 ; 63.043,495.974 80.823,495.974 ; 65.78,132.31 75.16,132.31 ; 75.16,132.31 85.13,132.31 87.12,130.32 87.12,128.03 ; 80.061,327.064 83.617,323.508 97.333,323.508 ; 80.823,495.974 99.619,495.974 ; 81.005,115.997 84.132,115.997 87.12,118.985 ; 82.212,280.081 98.468,280.081 ; 87.12,118.985 87.12,128.03 ; 97.333,323.508 127.305,323.508 ; 98.468,280.081 111.25,280.081 ; 99.619,495.974 118.034,495.974 ; 111.25,280.081 119.804,280.081 ; 119.804,280.081 135.552,280.081 ; 135.552,280.081 152.57,280.081 155.376,277.275 155.376,276.525 155.376,275.775 158.571,272.58 178.59,272.58 180.175,274.165 180.175,279.465 182.423,281.713 186.323,281.713 186.323,282.613 189.887,286.177 201.592,286.177 ; 164.647,70.07 164.647,68.093 166.84,65.9 168.767,65.9 ; 164.647,70.07 164.647,79.167 ; 164.647,79.167 164.647,81.869 169.408,86.63 188.103,86.63 189.91,88.437 189.91,106.228 185.094,111.044 143.184,111.044 140.898,113.33 140.898,118.664 143.184,120.95 147.787,120.95 150.57,123.733 150.57,124.633 154.253,128.316 171.017,128.316 ; 168.767,65.9 175.903,65.9 ; 171.017,128.316 186.881,128.316 ; 179.878,193.122 179.878,185.085 182.73,182.233 182.73,182.208 182.855,182.083 182.855,181.101 184.459,179.497 184.459,174.163 188.396,174.163 192.968,169.591 192.968,147.239 192.206,147.239 188.713,143.746 ; 186.881,128.316 188.713,130.148 188.713,143.746
  Top Layer w1.5: 46.02,151.451 46.92,151.451 47.82,151.451 51.95,155.581 51.95,162.6 68.64,179.29 68.64,182.36 66.16,184.84 62.694,184.84 ; 52.991,467.759 53.666,467.759 61.138,460.287 ; 53.01,453.556 54.28,453.556 61.138,446.698 ; 59.872,161.336 66.095,161.336 80.7,175.941 80.7,184.831 ; 59.872,180.894 59.872,182.018 62.694,184.84 ; 62.645,271.128 62.645,272.488 ; 71.338,272.263 71.663,272.588 ; 118.14,367.596 118.14,366.54 112.7,361.1 75.108,361.1 70.155,366.053 70.155,373.292 63.551,379.896 63.551,435.141 61.138,437.554 61.138,446.698 ; 138.1,392.85 138.1,391.726 154.81,375.016 163.681,375.016 ; 138.1,412.408 138.1,411.284 141.882,407.502 141.882,405.976 154.45,393.409 155.45,393.409 ; 141,500.354 133.192,492.545 77.394,492.545 61.138,476.289 61.138,460.287 ; 150.436,103.329 150.436,104.229 145.768,108.897 ; 152.328,145.945 163.885,157.502 163.885,208.326 151.737,220.474 87.26,220.474 78.795,212.009 78.795,200.941 62.694,184.84 ; 158.805,71.674 158.794,71.684 158.794,81.334 158.784,81.345 158.784,82.245 164.719,88.18 186.03,88.18 188,90.15 188,105.56 184.663,108.897 179.296,108.897 ; 167.2,103.329 167.2,104.229 162.532,108.897 ; 170.21,367.596 170.21,368.487 163.681,375.016 ; 179.92,209.76 179.45,209.76 174.5,214.71 ; 181.34,224.78 181.34,223.858 174.5,217.018 174.5,214.71 ; 183.964,103.329 183.964,104.229 179.296,108.897 ; 189.253,367.323 189.253,368.428 182.665,375.016 163.681,375.016 ; 194.287,464.679 189.291,459.683 189.291,385.348 219.507,355.131 219.507,349.67 215.951,346.114 210.27,340.433 210.27,331.763 ; 211.125,393.612 211.125,392.488 231.972,371.641 237.287,371.641 ; 211.125,413.17 211.268,413.027 211.268,409.775 227.381,393.662 ; 242.875,366.053 237.287,371.641 ; 260.655,365.926 254.94,371.641 237.287,371.641 ; 61.138,446.698 61.138,460.287 ; 145.768,108.897 162.532,108.897 ; 145.768,108.897 140.463,108.897 136.31,113.05 136.31,126.71 142.77,133.17 166.51,133.17 174.5,141.16 174.5,214.71 ; 162.532,108.897 179.296,108.897
  Top Layer w1.6: 125.59,113.25 125.9,112.94 125.9,101.8 130.55,97.15 130.55,64.55 134.209,60.891 203.676,60.891 210.568,67.783 210.568,134.74 230.687,154.859 230.687,206.421 228.655,208.453 228.655,260.509 214.484,274.68 191.53,274.68 191.35,274.86 ; 198.063,323.402 198.142,323.323 218.71,323.323 218.79,323.243 221.466,323.243 226.916,317.793 269.65,317.793 272.522,320.665 280.932,320.665 ; 211.379,454.191 215.835,454.191 219.594,450.432 227.356,450.432 ; 211.379,473.749 216.713,473.749 223.634,480.671 268.847,480.671 288.722,500.546 298.501,500.546 312.725,486.322 312.725,438.57 305.867,431.712 294.31,431.712 288.214,425.616 288.214,333.541 288.087,333.414 ; 251.81,323.243 265.216,323.243 275.487,333.514 281.087,333.514 281.858,332.743 281.858,328.848 286.318,324.388 286.318,324.37 287.932,322.756 287.932,320.565
  Top Layer w1.8: 59.618,221.915 59.6,221.897 59.6,192.82 55.45,188.67 55.45,175.964 48.909,169.423 48.899,169.423 48.199,168.723 46.92,168.723 46.02,168.723 41.81,164.513 41.81,149.914 46.292,145.432 56.212,145.432 60.31,141.334 60.31,135.124 61.364,134.07 86.42,134.07 95.286,125.204 95.286,121.437 ; 59.618,222.417 59.825,222.624 154.667,222.624 171.746,205.545 171.746,145.266 164.33,137.85 140.45,137.85 132.82,130.22 132.82,103.501 137.281,99.04 145.821,99.04 ; 59.618,241.473 72.318,241.473 80.573,249.728 80.7,249.728 ; 137.774,249.269 137.774,248.269 141.813,244.23 181.133,244.23 181.241,244.338 181.34,244.338 ; 138.1,450.127 138.252,450.279 155.297,450.279 ; 138.1,469.685 151.943,469.685 174.295,492.037 174.295,500.292 177.851,503.848 218.364,503.848 ; 150.336,93.625 150.336,94.525 145.821,99.04 ; 167.1,93.625 167.1,94.525 162.585,99.04 ; 183.864,93.625 183.864,94.525 179.349,99.04 162.585,99.04 ; 222.788,498.83 222.788,499.424 218.364,503.848 ; 305.74,351.194 309.931,355.385 ; 305.848,365.778 306.748,365.778 309.931,368.961 ; 305.975,336.568 309.931,340.524 309.931,355.385 ; 145.821,99.04 162.585,99.04 ; 218.364,503.848 299.907,503.848 315.265,488.49 315.265,437.554 301.121,423.41 301.121,379.642 309.931,370.832 309.931,368.961 ; 309.931,355.385 309.931,368.961
  Top Layer w2.5: 66.599,395.898 66.599,382.32 70.801,378.118 75.235,378.118 ; 66.725,414.458 66.962,414.458 75.616,405.804 75.616,400.597 81.265,394.948 81.265,394.102 81.958,393.409 82.552,393.409 ; 81.945,367.596 81.811,367.73 81.811,371.542 75.235,378.118 ; 82.34,76.365 82.372,76.397 82.372,88.136 83.514,89.278 83.514,89.605 83.764,89.855 ; 94.664,89.905 94.914,89.655 94.914,89.251 95.988,88.177 95.988,76.365 ; 100.904,367.477 100.904,368.832 91.618,378.118 75.235,378.118 ; 109.635,76.365 109.973,76.702 109.973,89.46 110.191,89.678 ; 121.091,89.728 121.449,89.37 121.449,89.357 122.912,87.894 122.912,76.736 123.283,76.365 ; 286.436,456.212 286.581,456.357 298.003,456.357 298.148,456.501 ; 286.486,445.312 288.302,443.496 296.946,443.496 ; 286.871,480.238 289.145,482.512 298.247,482.512 ; 286.921,469.338 287.005,469.422 298.064,469.422 298.148,469.507
  Top Layer w3: 89.214,89.905 89.346,90.037 89.346,94.137 91.104,95.894 119.143,95.894 ; 115.641,89.728 115.641,92.393 119.143,95.894 ; 117.07,104.73 120.9,104.73 120.9,97.652 119.143,95.894 ; 117.07,122.73 117.07,122.76 111.04,122.76 95.254,138.546 95.254,146.301 95.254,211.198 101.781,217.724 145.343,217.724 152.328,210.739 ; 121.082,407.963 107.747,421.298 107.747,451.524 120.582,464.359 120.582,464.486 121.082,464.986 130.988,464.986 135.306,460.668 148.26,460.668 171.755,484.163 191.059,484.163 202.235,472.987 202.235,450.508 194.234,442.507 194.234,408.217 193.98,407.963 199.568,402.375 199.568,379.261 222.301,356.528 222.301,347.257 228.27,341.288 228.27,331.763 243.29,331.763 243.29,342.211 248.336,347.257 267.513,347.257 273.101,352.845 273.101,401.722 267.421,407.402 ; 261.29,331.763 265.79,331.763 278.054,344.027 278.054,446.972 ; 267.421,465.441 276.768,474.788 286.871,474.788 284.721,472.638 284.675,472.638 278.054,466.017 278.054,446.972 ; 286.436,450.762 285.936,451.262 282.344,451.262 278.054,446.972
  Bottom Layer w0.3: 53.518,433.998 54.017,433.998 58.525,429.49 70.091,429.49 108.001,391.58 108.001,365.164 112.989,360.176 203.709,360.176 210.49,353.395 210.49,352.645 ; v2(59.56,81.62) 62.44,78.74 67.94,78.74 ; 60.503,416.528 60.503,357.29 63.932,353.861 69.393,353.861 76.251,347.003 76.251,335.065 85.522,325.794 130.226,325.794 133.274,322.746 133.274,320.171 133.23,320.127 ; 64.694,363.513 65.444,363.513 69.381,359.576 201.769,359.576 207.95,353.395 207.95,352.645 ; 67.86,71.09 67.86,70.715 63.63,66.485 63.63,58.88 68.54,53.97 184.916,53.97 197.398,66.452 197.398,73.944 197.414,73.96 ; 70.36,89.97 70.36,89.852 70.89,89.322 71.008,89.322 75.634,84.696 75.634,64.926 85.92,54.64 183.6,54.64 194.32,65.36 194.32,80.847 196.675,83.202 196.731,83.202 197.414,83.885 197.414,84.31 ; 70.36,97.62 70.36,97.502 72.27,95.592 72.27,89.89 76.313,85.847 76.313,65.717 86.53,55.5 183.33,55.5 193.25,65.42 193.25,90.497 196.49,93.737 196.86,93.737 197.414,94.292 197.414,94.661 ; 133.228,320.125 133.274,320.079 ; 135.814,320.079 136.064,320.079 142.506,313.637 312.044,313.637 317.516,319.109 317.516,404.021 311.669,409.868 303.835,409.868 294.183,419.52 293.675,419.52 ; 138.354,320.079 138.604,320.079 144.446,314.237 311.796,314.237 316.916,319.357 316.916,403.772 311.42,409.268 301.895,409.268 294.183,416.98 293.675,416.98 ; 265.668,172.136 265.668,171.711 266.352,171.027 266.406,171.027 270.63,166.802 278.114,166.802 279.892,168.58 279.892,173.279 288.909,182.296 288.909,198.933 291.449,201.473 364.601,201.473 368.792,205.664 368.792,240.081 364.855,244.018 350.754,244.018 345.928,248.844 345.678,248.844 ; 274.177,278.562 274.177,277.673 278.876,272.974 287.639,272.974 298.815,261.798 298.815,241.859 306.308,234.366 306.308,232.461 ; 276.717,278.562 276.717,278.137 277.406,277.448 277.45,277.448 281.416,273.482 288.401,273.482 299.831,262.052 299.831,241.859 309.229,232.461 ; 279.257,278.562 279.511,278.562 283.956,274.117 288.782,274.117 300.593,262.306 300.593,243.637 311.769,232.461 ; 279.511,205.156 280.273,205.156 293.735,218.618 v1(295.005,218.618) ; 279.765,202.362 294.116,216.713 v1(296.021,216.713) ; 289.29,251.638 295.005,251.638 296.783,249.86 296.783,241.732 301.355,237.16 v1(301.355,216.586) ; 289.544,254.178 296.021,254.178 298.117,252.083 298.117,241.542 303.514,236.144 303.514,222.533 308.695,217.352 308.945,217.352 ; 292.846,171.882 292.846,172.632 292.846,175.692 295.259,178.105 298.319,178.105 306.655,178.105 311.104,182.554 ; v1(306.181,209.728) 306.293,209.84 306.293,217.24 306.405,217.352 ; 323.58,197.663 323.58,197.7 ; 324.088,232.461 324.338,232.461 334.371,242.494 336.28,242.494 338.566,240.208 338.566,239.446 ; 326.628,232.461 326.878,232.461 333.863,239.446 336.026,239.446 ; 361.934,238.084 361.934,238.834